# KiCad board Right.kicad_pcb (continued)
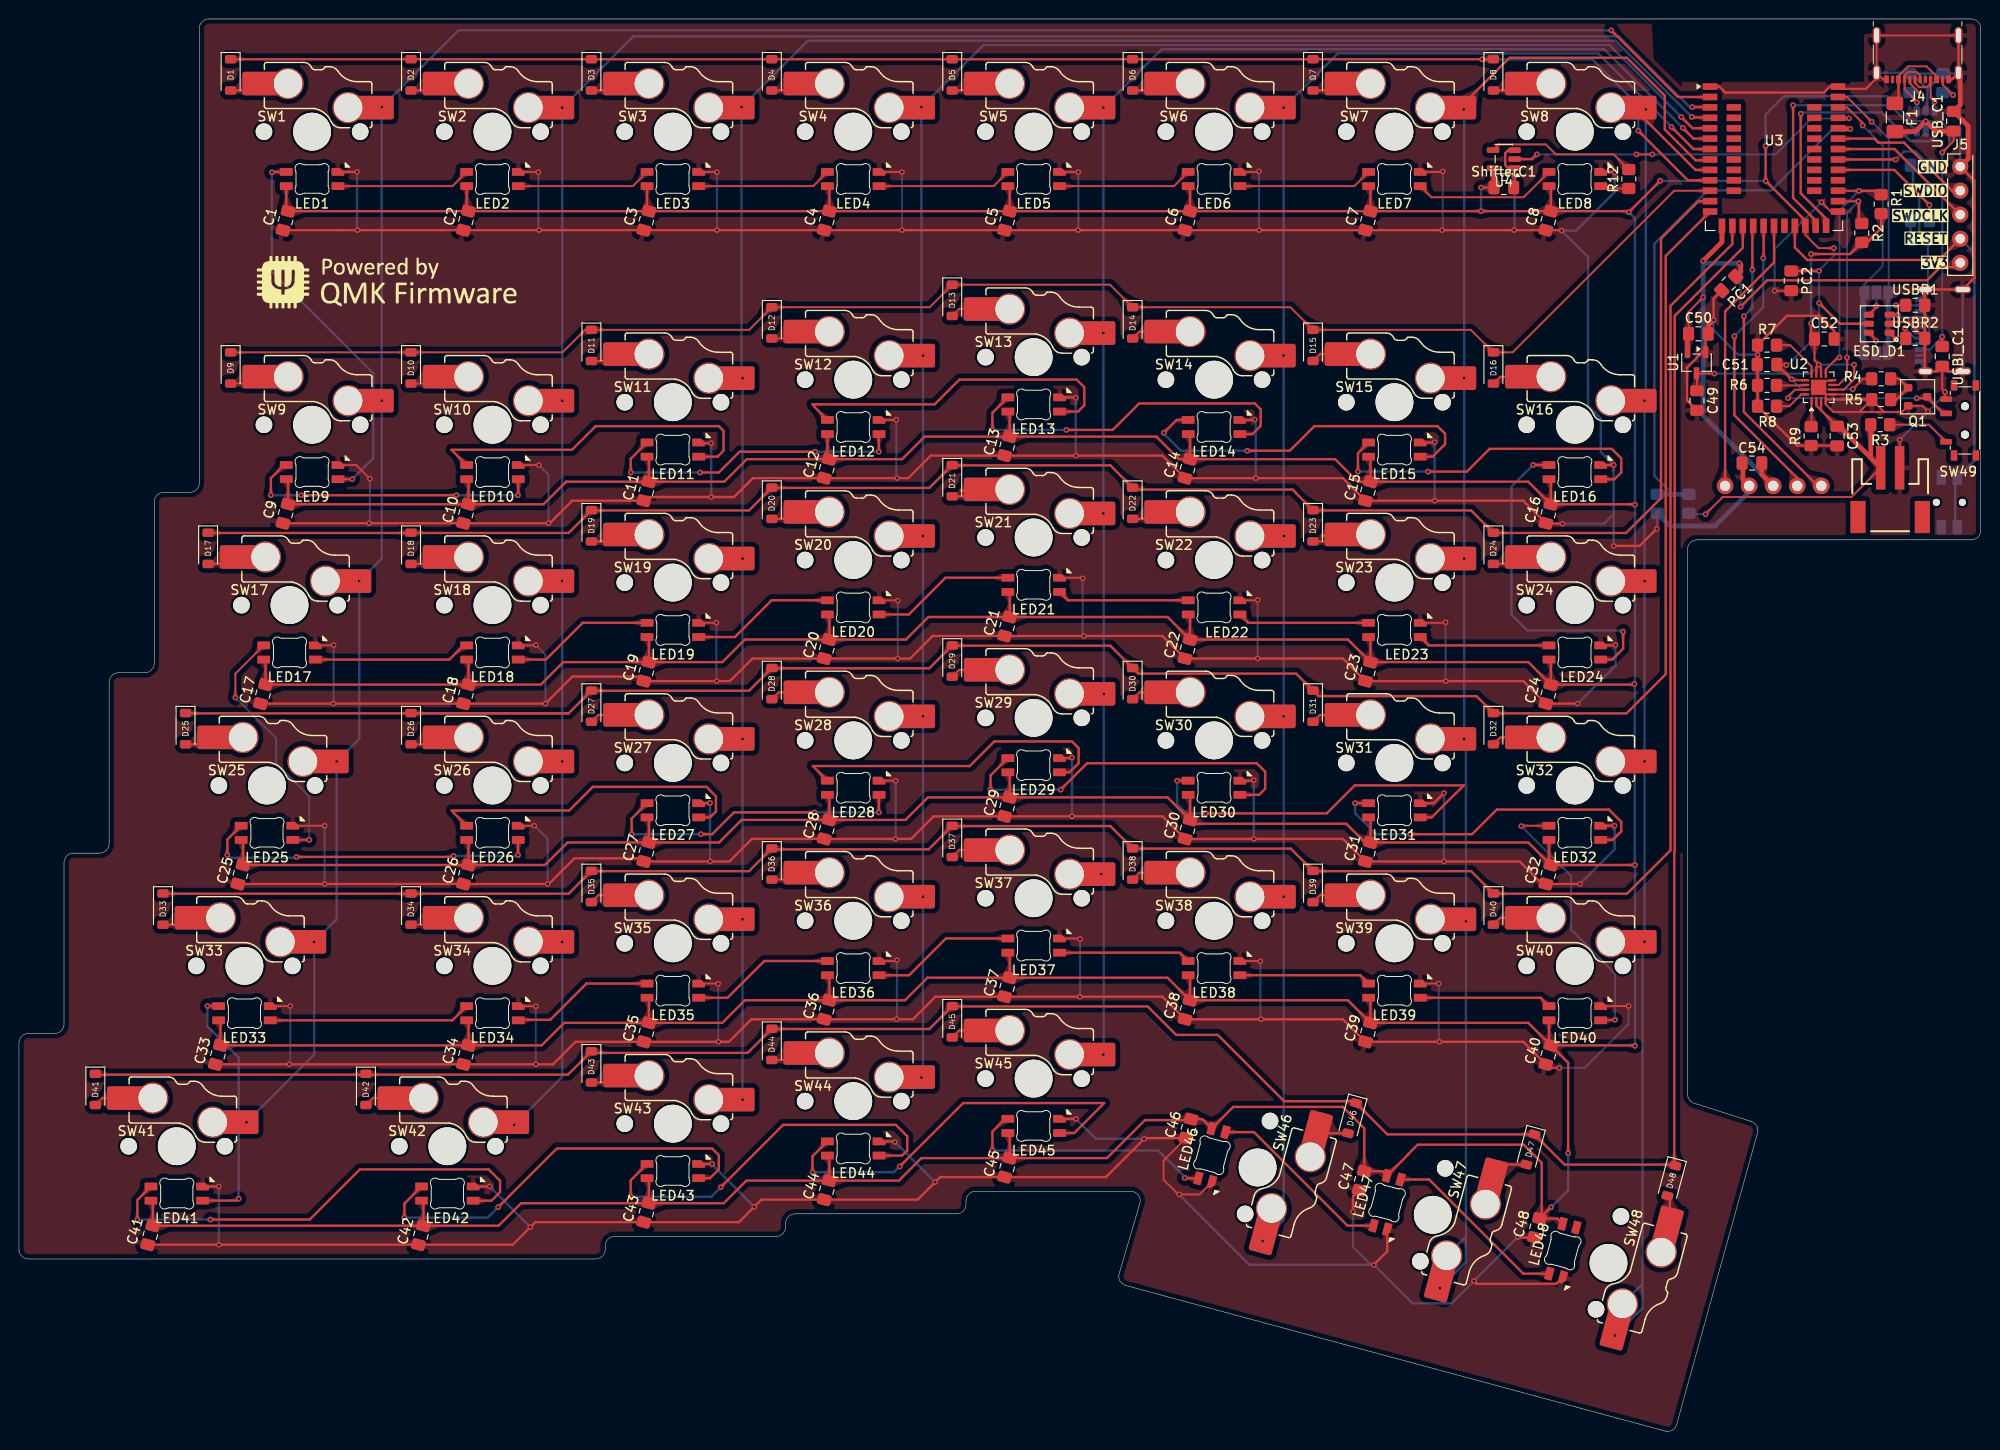
[diagram p0: board, top side]
## Routing (per net, layer and track width the routed paths; a pad name or vN(x,y) marks a point on that pad's centre or on a via; arc(x,y) is an arc through that point) (continued)
R_COL7: length 237.4
  Top w0.25: v1(52.31,32.34) 52.59,32.62 SW42.1 ; v1(176.71,139.84) 178.56,139.84 U3.3
  Bottom w0.25: v1(52.31,32.34) 57.37,37.4 v1(57.37,51.67) v1(57.37,70.72) v1(57.37,89.77) v1(57.37,108.82) v1(57.37,139.78) 64.89,147.3 168.97,147.3 176.43,139.84 v1(176.71,139.84)
R_COL8: length 259.8
  Top w0.25: v1(38.31,139.84) 38.32,139.83 SW1.1 ; U3.2 175.19,140.9 v1(168.16,147.94)
  Bottom w0.25: v1(168.16,147.94) 46.41,147.94 v1(38.31,139.84) 38.31,108.83 v1(38.32,108.82) 38.32,92.16 v1(35.93,89.77) 35.93,73.11 v1(33.55,70.72) 33.55,54.06 v1(31.17,51.67) 31.17,39.77 v1(24.03,32.62)
R_LED1: length 3.1
  Top w0.2: R12.1 167.28,131.24 LED8.3
R_LED_3v3_1: length 38.3
  Top w0.2: v1(193.26,138.64) 192.16,138.64 U3.34 ; v1(172.51,134.84) v1(170.81,134.84)
  Top w0.25: U4.2 159.81,134.34 v1(160.31,134.84)
  Bottom w0.2: v1(172.51,134.84) 185.51,134.84 189.29,138.63 193.24,138.63 v1(193.26,138.64) ; v1(160.31,134.84) v1(170.81,134.84)
R_ROW1: length 165.5
  Top w0.25: v1(154.51,144.87) 155.69,144.87 D8.1 D1.1 ; v1(171.01,137.34) 176.24,132.1 U3.10
  Bottom w0.25: v1(171.01,137.34) 171.01,140.02 166.16,144.87 v1(154.51,144.87)
R_ROW2: length 169.2
  Top w0.2: D9.1 D10.1 57.4,113.93 59.78,116.32 D11.1 77.12,116.32 D12.1 96.18,118.7 D13.1 115.22,121.08 D14.1 134.28,118.7 D15.1 153.33,116.32 D16.1 157.74,113.93 174.81,131 U3.11
R_ROW3: length 195.2
  Top w0.25: D17.1 20,94.86 41.38,94.86 D18.1 41.44,94.86 58.05,94.86 60.46,97.27 60.49,97.24 77.1,97.24 D20.1 79.54,99.62 96.15,99.62 D21.1 98.59,102 115.25,102 D22.1 117.81,99.44 134.51,99.44 134.87,99.08 134.87,99.05 136.69,97.24 153.35,97.24 D24.1 155.74,94.86 169.72,94.86 173.41,98.54 173.41,125.94 177.37,129.9 U3.12
R_ROW4: length 231.5
  Top w0.25: 58.05,75.81 D27.1 60.49,78.19 77.1,78.19 D28.1 79.54,80.57 96.15,80.57 D29.1 98.59,82.95 115.25,82.95 D30.1 118.2,80 134.87,80 D31.1 137.25,77.62 153.92,77.62 D32.1 155.74,75.81 169.77,75.81 173.91,79.94 173.91,124.12 U3.13 ; 58.05,75.81 41.44,75.81 D26.1 ; 58.05,75.81 17.62,75.81 D25.1
R_ROW5: length 235.9
  Top w0.25: D33.1 15.24,56.76 41.38,56.76 D34.1 41.44,56.76 58.05,56.76 D35.1 60.49,59.14 77.1,59.14 D36.1 79.61,61.44 96.07,61.44 D37.1 98.59,63.9 115.25,63.9 D38.1 117.64,61.52 134.3,61.52 D39.1 136.69,59.14 153.35,59.14 D40.1 155.74,56.76 169.82,56.76 174.41,61.34 174.41,118.84 180.94,125.38 U3.15
R_ROW6: length 279.4
  Top w0.25: U3.16 182.04,124.98 174.86,117.79 174.86,61.15 174.81,61.1 174.81,28.24 174.93,28.11 D48.1 174.83,28.14 163.23,28.14 D47.1 160.03,31.34 144.51,31.34 D46.1 141.01,34.84 133.61,34.84 126.61,41.84 122.21,41.84 119.2,44.85 98.59,44.85 D45.1 96.15,42.47 79.54,42.47 D44.1 76.95,39.94 60.63,39.94 D43.1 57.98,37.64 36.74,37.64 D42.1 36.55,37.64 8.16,37.64 D41.1
RESET: length 53.2
  Top w0.25: J5.4 202.77,123.69 188.86,123.69 187.54,125 U3.21
  Bottom w0.25: J5.4 206.5,124.44 206.5,102.51 Reset_Btn1.1 204.48,100.49 204.48,95.69 Reset_Btn1.1
SCK: length 31.5
  Top w0.25: v1(184.21,123.89) 184.24,123.93 U3.18 ; OLED1.2 187.8,100.65 181.16,107.29 v1(181.16,115.64)
  Bottom w0.25: v1(184.21,123.89) 184.21,118.69 v1(181.16,115.64)
SWDCLK: length 15.8
  Top w0.25: U3.31 198.07,135.4 J5.3
SWDIO: length 15.2
  Top w0.25: J5.2 204.14,131.01 199.07,136.08 196.36,136.08 195.93,136.5 U3.32
SYS_OFF: length 19.8
  Top w0.2: Q1.3 201.36,109.09 v1(200.41,109.09) ; U2.15 187.56,109.99 186.81,109.24 v1(186.81,109.09)
  Top w0.25: SW49.2 203.21,107.49 201.51,109.19 Q1.3
  Bottom w0.2: v1(200.41,109.09) v1(186.81,109.09)
USART_RX: length 32.4
  Top w0.2: U3.36 193.06,140.9 195.08,138.88 195.08,138.87 v1(195.66,138.29)
  Bottom w0.2: JP2.1 197.46,136.49 v1(195.66,138.29) ; JP2.1 197.46,119.65 ; JP2.1 196.96,119.75 ; JP2.1 197.46,119.79 197.41,119.74 ; 196.96,114.3 JP1.1 196.96,114.3
  Bottom w0.5: 197.41,119.74 JP1.1
USART_TX: length 35.9
  Top w0.2: v1(194.71,137.89) 194.71,138.15 193.06,139.8 U3.35
  Bottom w0.2: JP1.3 194.56,114.1 194.56,119.95 JP2.3 194.86,121.08 196.82,123.04 196.82,135.78 v1(194.71,137.89)
  Bottom w0.5: JP2.3 194.81,120.2 JP1.3
VSENSE: length 57.7
  Top w0.5: U3.33 192.16,137.54 v1(193.41,137.54)
  Bottom w0.25: 174.61,98.94 174.61,98.99 172.71,100.89 172.71,125.39 178.36,131.04 185.06,131.04 191.56,137.54 v1(193.41,137.54)
  Bottom w0.5: R11.1 R10.2
Net-(B_LED1-A): length 2.5
  Bottom w0.25: B_LED1.2 200.02,133.43 R15.2
Net-(D1-A): length 2.8
  Top w0.25: D1.2 24.14,141.59 SW1.2
Net-(D2-A): length 2.8
  Top w0.25: SW2.2 43.19,141.59 D2.2
Net-(D3-A): length 2.8
  Top w0.25: D3.2 62.24,141.59 SW3.2
Net-(D4-A): length 2.8
  Top w0.25: SW4.2 81.29,141.59 D4.2
Net-(D5-A): length 2.8
  Top w0.25: D5.2 100.34,141.59 SW5.2
Net-(D6-A): length 2.8
  Top w0.25: D6.2 119.39,141.59 SW6.2
Net-(D7-A): length 2.8
  Top w0.25: D7.2 138.44,141.59 SW7.2
Net-(D8-A): length 2.8
  Top w0.25: SW8.2 157.49,141.59 D8.2
Net-(D9-A): length 2.8
  Top w0.2: SW9.2 24.14,110.63 D9.2
Net-(D10-A): length 2.8
  Top w0.2: SW10.2 43.19,110.63 D10.2
Net-(D11-A): length 2.8
  Top w0.2: SW11.2 62.24,113.02 D11.2
Net-(D12-A): length 2.8
  Top w0.2: SW12.2 81.29,115.4 D12.2
Net-(D13-A): length 2.8
  Top w0.2: D13.2 99.29,118.51 SW13.2
Net-(D14-A): length 2.8
  Top w0.2: SW14.2 118.34,116.13 D14.2
Net-(D15-A): length 2.8
  Top w0.2: SW15.2 137.39,113.75 D15.2
Net-(D16-A): length 4.6
  Top w0.2: SW16.2 156.44,111.36 D16.2
Net-(D17-A): length 2.8
  Top w0.25: SW17.2 21.75,91.58 D17.2
Net-(D18-A): length 2.8
  Top w0.25: SW18.2 43.19,91.58 D18.2
Net-(D19-A): length 7.4
  Top w0.25: SW19.2 63.99,93.97 D19.2 62.24,93.97 SW19.2
Net-(D20-A): length 2.8
  Top w0.25: SW20.2 81.29,96.35 D20.2
Net-(D21-A): length 24.2
  Top w0.2: 101.28,99.33 99.5,99.33 ; 101.28,99.33 99.5,99.33 ; 101.28,99.33 99.5,99.33 ; 101.28,99.33 99.5,99.33 ; 101.28,99.33 99.5,99.33 ; 101.28,99.33 99.5,99.33 ; 101.28,99.33 99.5,99.33 ; 101.28,99.33 99.5,99.33 ; 101.28,99.33 99.5,99.33 ; 101.28,99.33 99.5,99.33 ; 101.28,99.33 99.5,99.33 ; 101.28,99.33 99.5,99.33
  Top w0.25: D21.2 100.34,98.73 SW21.2
Net-(D22-A): length 2.8
  Top w0.25: D22.2 119.39,96.35 SW22.2
Net-(D23-A): length 24.2
  Top w0.2: 139.44,94.57 137.66,94.57 ; 139.44,94.57 137.66,94.57 ; 139.44,94.57 137.66,94.57 ; 139.44,94.57 137.66,94.57 ; 139.44,94.57 137.66,94.57 ; 139.44,94.57 137.66,94.57 ; 139.44,94.57 137.66,94.57 ; 139.44,94.57 137.66,94.57 ; 139.44,94.57 137.66,94.57 ; 139.44,94.57 137.66,94.57 ; 139.44,94.57 137.66,94.57 ; 139.44,94.57 137.66,94.57
  Top w0.25: SW23.2 138.44,93.97 D23.2
Net-(D24-A): length 2.8
  Top w0.25: D24.2 157.49,91.58 SW24.2
Net-(D25-A): length 4.6
  Top w0.25: SW25.2 21.12,72.53 D25.2
Net-(D26-A): length 2.8
  Top w0.25: SW26.2 43.19,72.53 D26.2
Net-(D27-A): length 4.6
  Top w0.2: SW27.2 61.19,75.65 60.46,74.92
Net-(D28-A): length 4.6
  Top w0.2: D28.2 80.24,78.03 SW28.2
Net-(D29-A): length 4.6
  Top w0.2: D29.2 99.29,80.41 SW29.2
Net-(D30-A): length 2.8
  Top w0.2: D30.2 118.34,78.03 SW30.2
Net-(D31-A): length 4.6
  Top w0.2: SW31.2 137.39,75.65 136.66,74.92
Net-(D32-A): length 4.6
  Top w0.2: D32.2 156.44,73.26 SW32.2
Net-(D33-A): length 2.8
  Top w0.25: D33.2 16.99,53.48 SW33.2
Net-(D34-A): length 2.8
  Top w0.2: D34.2 43.19,53.48 SW34.2
Net-(D35-A): length 2.8
  Top w0.2: D35.2 61.19,56.6 SW35.2
Net-(D36-A): length 2.8
  Top w0.2: SW36.2 81.29,58.25 D36.2
Net-(D37-A): length 2.8
  Top w0.2: D37.2 99.29,61.36 SW37.2
Net-(D38-A): length 2.8
  Top w0.2: D38.2 118.34,58.98 SW38.2
Net-(D39-A): length 2.8
  Top w0.2: SW39.2 137.39,56.6 D39.2
Net-(D40-A): length 2.8
  Top w0.2: SW40.2 156.44,54.21 D40.2
Net-(D41-A): length 2.8
  Top w0.2: D41.2 8.8,35.16 SW41.2
Net-(D42-A): length 2.8
  Top w0.2: SW42.2 37.37,35.16 D42.2
Net-(D43-A): length 2.8
  Top w0.2: D43.2 62.24,36.82 SW43.2
Net-(D44-A): length 2.8
  Top w0.2: SW44.2 81.29,39.2 D44.2
Net-(D45-A): length 2.8
  Top w0.2: SW45.2 99.29,42.31 D45.2
Net-(D46-A): length 3.5
  Top w0.25: D46.2 138.24,31.45 SW46.2
Net-(D47-A): length 3.7
  Top w0.25: D47.2 156.53,28.15 SW47.2
Net-(D48-A): length 2.6
  Top w0.25: SW48.2 174.35,24.58 D48.2
Net-(ESD_D1-L1-Pad1): length 6.3
  Top w0.2: ESD_D1.1 197.56,115.94 v1(198.16,115.34)
  Bottom w0.2: v1(198.16,115.34) 198.31,115.19 198.37,115.19 198.76,114.8 200.56,114.8 J1.A7 201.03,114.88 201.33,115.18 201.33,116.22 201.03,116.53 J1.B7
Net-(ESD_D1-L2-Pad3): length 5.9
  Top w0.2: ESD_D1.3 198.39,117.9 v1(198.41,117.88)
  Bottom w0.2: J1.B6 200.23,115.98 199.93,116.28 199.93,117.32 200.24,117.63 J1.A6 198.67,117.63 v1(198.41,117.88)
Net-(ESD_D2-L1-Pad1): length 6.7
  Top w0.2: v1(200.43,140.32) 200.41,140.35 200.41,140.42 199.13,141.7 J4.A7 ; J4.B7 200.78,143.16 200.4,143.54 199.5,143.54 199.13,143.16 J4.A7 ; J4.A7 199.08,142.72
  Bottom w0.2: v1(200.43,140.32) 200.41,140.3 ESD_D2.1
Net-(ESD_D2-L2-Pad3): length 6.3
  Top w0.2: v1(202.3,140.38) 201.88,140.81 J4.A6 201.88,142.36 201.45,141.94 200.65,141.94 200.23,142.37 J4.B6
  Bottom w0.2: ESD_D2.3 202.31,140.38 v1(202.3,140.38)
Net-(F1-Pad1): length 8.2
  Top w0.2: J4.A9 198.49,143.13 199.51,144.14 201.44,144.14 202.51,143.07 J4.A4
  Top w0.25: J4.A9 198.49,140.61 F1.1
Net-(G_LED1-A): length 2.3
  Bottom w0.25: R17.2 199.76,125.9 G_LED1.2
Net-(J1-CC1): length 4.5
  Top w0.2: 198.37,118.9 USBR1.1 199.24,118.89 v1(198.21,118.89) 198.36,118.89 198.37,118.9
  Bottom w0.2: J1.A5 200.63,118.9 198.37,118.9 198.36,118.89 v1(198.21,118.89)
Net-(J1-CC2): length 3.2
  Top w0.2: 199.26,116.39 v1(199.16,116.49) 199.16,115.5 USBR2.1
  Bottom w0.2: v1(199.16,116.49) 199.53,116.12 199.53,116.11 200.07,115.58 200.07,115.58 200.24,115.4 200.61,115.4 J1.B5
Net-(J4-CC1): length 3.3
  Top w0.2: J4.A5 203.15,142.2 v1(204.26,141.09)
  Bottom w0.25: v1(204.26,141.09) 203.98,141.37 R13.1
Net-(J4-CC2): length 3.5
  Top w0.2: J4.B5 199.68,142.76 199.68,142.34 v1(200.91,141.12)
  Bottom w0.25: R14.1 200.66,141.37 v1(200.91,141.12)
Net-(LED1-DIN): length 14.2
  Top w0.2: LED1.3 45.78,131.49 LED2.2
Net-(LED1-DOUT): length 40.8
  Top w0.25: LED9.3 33.69,100.54 v1(35.21,100.54) ; v1(26.71,132.94) 26.76,132.99 LED1.2
  Bottom w0.25: v1(35.21,100.54) 37.41,102.74 37.41,111.74 26.71,122.44 v1(26.71,132.94)
Net-(LED2-DIN): length 14.2
  Top w0.2: LED3.2 64.83,131.49 LED2.3
Net-(LED3-DIN): length 14.2
  Top w0.2: LED4.2 83.88,131.49 LED3.3
Net-(LED4-DIN): length 14.2
  Top w0.2: LED5.2 102.93,131.49 LED4.3
Net-(LED5-DIN): length 14.2
  Top w0.2: LED5.3 121.98,131.49 LED6.2
Net-(LED6-DIN): length 14.2
  Top w0.2: LED6.3 141.03,131.49 LED7.2
Net-(LED7-DIN): length 15.2
  Top w0.2: 147.98,131.49 149.16,130.32 158.91,130.32 LED8.2
Net-(LED10-DIN): length 31.8
  Top w0.25: v1(46.21,98.84) v1(29.81,98.84) ; v1(26.61,98.84) 26.61,100.64 28,102.03 LED9.2 ; v1(52.71,98.84) 52.73,98.87 LED10.3
  Bottom w0.25: v1(26.61,98.84) v1(29.81,98.84) ; v1(52.71,98.84) v1(46.21,98.84)
Net-(LED10-DOUT): length 37.2
  Top w0.25: LED10.2 45.68,103.64 58.41,103.64 60.91,106.14 73.91,106.14 74.41,105.64 74.41,103.54 73.78,102.92 LED11.3
Net-(LED11-DOUT): length 32.9
  Top w0.25: v1(90.81,103.44) 90.81,105.27 LED12.3 ; v1(64.61,101.24) 64.61,102.69 LED11.2 ; v1(71.91,101.24) 73.91,101.24 76.11,103.44 v1(84.11,103.44)
  Bottom w0.25: v1(64.61,101.24) v1(71.91,101.24) ; v1(84.11,103.44) v1(90.81,103.44)
Net-(LED12-DOUT): length 37.2
  Top w0.25: LED12.2 84.01,108.17 84.01,108.24 83.81,108.44 96.71,108.44 99.32,111.06 111.69,111.06 112.51,110.24 112.51,108.34 111.84,107.68 LED13.3
Net-(LED13-DOUT): length 38.2
  Top w0.25: LED13.2 102.81,107.55 v1(102.81,105.74) ; v1(110.61,105.74) 115.51,105.74 118.31,108.54 130.51,108.54 131.13,107.92 131.13,106.17 130.26,105.3 LED14.3
  Bottom w0.25: v1(102.81,105.74) v1(110.61,105.74)
Net-(LED14-DOUT): length 39.4
  Top w0.25: v1(129.71,103.54) 134.21,103.54 136.81,106.14 149.81,106.14 150.61,105.34 150.61,104.24 149.28,102.92 147.98,102.92 ; LED14.2 122.26,106.8 v1(120.91,105.44)
  Bottom w0.25: v1(120.91,105.44) 120.91,105.34 122.71,103.54 v1(129.71,103.54)
Net-(LED15-DOUT): length 36.7
  Top w0.25: v1(148.81,101.34) 152.91,101.34 155.31,103.74 168.21,103.74 169.21,102.74 169.21,101.24 168.5,100.53 LED16.3 ; v1(141.41,101.34) 141.41,103.29 LED15.2
  Bottom w0.25: v1(141.41,101.34) v1(148.81,101.34)
Net-(LED16-DOUT): length 35.6
  Top w0.25: v1(169.41,84.44) 169.41,82.64 168.25,81.48 LED24.3 ; v1(159.91,102.04) 160.11,102.04 160.11,102.03 LED16.2
  Bottom w0.25: v1(169.41,84.44) 169.29,84.55 159.29,84.55 157.61,86.24 157.61,99.74 v1(159.91,102.04)
Net-(LED17-DIN): length 16.6
  Top w0.25: LED17.3 45.45,81.48 46.95,82.98 LED18.2
Net-(LED17-DOUT): length 26.8
  Top w0.2: LED25.3 28.92,62.44 v1(30.66,62.44) ; LED17.2 22.86,79.99 v1(22.86,77.47)
  Bottom w0.2: v1(22.86,77.47) 27.17,73.16 27.17,70.53 30.66,67.04 v1(30.66,62.44)
Net-(LED18-DIN): length 15.2
  Top w0.25: LED18.3 55.65,81.48 59.53,85.37 LED19.2
Net-(LED19-DIN): length 15.2
  Top w0.25: LED19.3 75.61,83.87 79.49,87.75 LED20.2
Net-(LED20-DIN): length 15.2
  Top w0.25: LED20.3 93.97,86.25 97.85,90.13 LED21.2
Net-(LED21-DIN): length 14
  Top w0.25: LED21.3 110.76,87.75 LED22.2
Net-(LED22-DIN): length 14
  Top w0.25: LED22.3 129.81,85.37 LED23.2
Net-(LED23-DIN): length 14
  Top w0.25: 147.98,83.87 148.86,82.98 LED24.2
Net-(LED25-DOUT): length 36.3
  Top w0.25: v1(52.71,60.84) 52.71,62.41 LED26.3 ; v1(22.01,60.84) 22.01,62.47 LED25.2 ; v1(45.91,60.74) 45.81,60.64 v1(29.31,60.64)
  Bottom w0.25: v1(45.91,60.74) 52.61,60.74 v1(52.71,60.84) ; v1(22.01,60.84) 22.31,60.54 29.21,60.54 v1(29.31,60.64)
Net-(LED26-DOUT): length 35.3
  Top w0.25: LED26.2 45.91,65.31 45.91,65.34 45.71,65.54 58.11,65.54 60.61,68.04 72.61,68.04 73.61,67.04 73.61,65.44 72.98,64.82 LED27.3
Net-(LED27-DOUT): length 32.9
  Top w0.25: v1(90.81,65.34) 90.81,67.17 LED28.3 ; v1(72.01,63.04) 73.21,63.04 75.51,65.34 v1(84.01,65.34) ; LED27.2 64.71,64.69 v1(64.71,63.04)
  Bottom w0.25: v1(64.71,63.04) v1(72.01,63.04) ; v1(84.01,65.34) v1(90.81,65.34)
Net-(LED28-DOUT): length 35.6
  Top w0.25: LED28.2 83.84,70.24 100.41,70.24 103.01,72.84 111.21,72.84 111.91,72.14 111.91,70.54 110.94,69.58 LED29.3
Net-(LED29-DOUT): length 39.4
  Top w0.25: v1(110.01,67.74) 112.81,70.54 130.71,70.54 131.61,69.64 131.61,67.84 130.96,67.2 LED30.3 ; LED29.2 102.61,69.25 v1(102.61,67.74)
  Bottom w0.25: v1(102.61,67.74) v1(110.01,67.74)
Net-(LED30-DOUT): length 41.7
  Top w0.25: v1(125.31,65.24) 138.11,65.24 141.06,68.2 152.59,68.2 151.77,67.38 151.74,67.38 149.18,64.82 147.98,64.82 ; v1(122.31,68.7) LED30.2
  Bottom w0.25: v1(125.31,65.24) 123.31,65.24 122.31,66.24 122.31,68.6 122.21,68.7 v1(122.31,68.7)
Net-(LED31-DOUT): length 36.7
  Top w0.25: LED32.3 168.3,62.43 169.21,63.34 169.21,64.34 167.91,65.64 156.06,65.64 153.46,63.04 v1(146.93,63.04) ; v1(141.11,66.32) LED31.2
  Bottom w0.25: v1(146.93,63.04) 143.31,63.04 141.11,65.24 v1(141.11,66.32)
Net-(LED32-DOUT): length 29
  Top w0.2: LED40.3 167.06,43.42 168.53,43.42 v1(168.56,43.44) ; v1(158.66,63.89) 158.7,63.93 LED32.2
  Bottom w0.2: v1(158.66,63.89) 163.91,58.64 163.91,52.97 168.16,48.71 168.16,48.63 168.56,48.23 v1(168.56,43.44)
Net-(LED33-DIN): length 21.4
  Top w0.25: LED33.3 45.78,43.38 LED34.2
Net-(LED33-DOUT): length 26.8
  Top w0.25: LED41.3 19.4,24.34 23.01,24.34 v1(23.21,24.54) ; v1(19.91,44.88) LED33.2
  Bottom w0.25: v1(23.21,24.54) 23.21,39.44 19.91,42.74 v1(19.91,44.88)
Net-(LED34-DIN): length 15.2
  Top w0.25: LED34.3 52.79,43.44 56.11,43.44 59.93,47.27 LED35.2
Net-(LED35-DIN): length 15.2
  Top w0.25: LED36.2 78.71,49.65 74.83,45.77 LED35.3
Net-(LED36-DIN): length 15.2
  Top w0.25: LED36.3 90.84,48.14 94.01,48.14 97.89,52.03 LED37.2
Net-(LED37-DIN): length 14
  Top w0.25: LED37.3 122.6,50.53 LED38.2
Net-(LED38-DIN): length 14
  Top w0.25: LED38.3 141.65,48.15 LED39.2
Net-(LED39-DIN): length 14
  Top w0.25: LED40.2 160.7,45.77 147.98,45.77
Net-(LED41-DOUT): length 49.5
  Top w0.25: v1(12.51,22.34) 12.51,24.4 LED41.2 ; LED42.3 49.9,24.33 50.81,25.24 50.81,26.44 49.61,27.64 36.01,27.64 30.71,22.34 v1(20.21,22.34)
  Bottom w0.25: v1(12.51,22.34) v1(20.21,22.34)
Net-(LED42-DOUT): length 44.6
  Top w0.25: LED42.2 40.71,24.02 v1(40.71,22.54) ; LED43.3 72.98,26.72 73.91,27.64 73.91,29.14 73.21,29.84 56.81,29.84 v1(50.61,23.64)
  Bottom w0.25: v1(40.71,22.54) 49.51,22.54 v1(50.61,23.64)
Net-(LED43-DOUT): length 41.7
  Top w0.25: v1(64.61,24.74) 64.61,26.49 LED43.2 ; LED44.3 93.26,29.1 93.81,29.64 93.81,31.14 92.61,32.34 80.71,32.34 v1(74.11,25.74)
  Bottom w0.25: v1(64.61,24.74) 73.11,24.74 v1(74.11,25.74)
Net-(LED44-DOUT): length 43.8
  Top w0.25: LED45.3 111.44,31.48 114.61,34.64 99.71,34.64 v1(93.01,27.94) ; LED44.2 83.81,29.02 v1(83.81,27.34)
  Bottom w0.25: v1(93.01,27.94) 92.41,27.34 v1(83.81,27.34)
Net-(LED45-DOUT): length 27.2
  Top w0.25: LED46.3 123.15,26.7 v1(123.11,26.74) ; v1(102.81,29.64) 102.81,31.64 104.14,32.98 LED45.2
  Bottom w0.25: v1(102.81,29.64) 120.31,29.64 123.11,26.84 v1(123.11,26.74)
Net-(LED46-DOUT): length 19.7
  Top w0.25: LED47.3 140.3,21.7 130.43,31.57 LED46.2
Net-(LED47-DOUT): length 19.8
  Top w0.25: LED47.2 148.93,26.57 158.87,16.62 LED48.3
Net-(Q1-G): length 4.6
  Top w0.25: R4.1 198.56,111.14 Q1.1 198.26,108.94 R5.2
Net-(SW49-A): length 6.7
  Top w0.2: R3.1 201.71,106.29 SW49.1
Net-(U2-ILIM): length 5.4
  Top w0.2: R7.2 187.06,114.69 189.31,112.44 U2.12
Net-(U2-ISET): length 3.5
  Top w0.2: R8.2 186.96,108.24 188.21,109.49 U2.16
Net-(U2-TMR): length 3
  Top w0.2: R6.2 188.57,110.44 U2.14
Net-(U2-TS): length 2.7
  Top w0.2: R9.2 189.31,106.14 U2.1
Net-(U4-Y): length 15.7
  Top w0.2: R12.2 168.41,134.84 162.31,134.84 161.26,135.89 156.27,135.89 U4.4

## Copper pours and planes (outline as drawn; the poured copper is in the pictures)
GND on Top, Bottom: 226.22,153.91 -2.38,151.53 -2.38,-8.02 226.22,-10.4

Small or netless copper shapes (teardrops, artwork), in the pictures only: 861 on Top, 377 on Bottom

## Text on the board
F.Silkscreen: SWDCLK | SWDIO | RESET | GND | 3V3
